# Altium PCB JacdacMicroBitBackPackHi-Alt1 119.PcbDoc (continued)
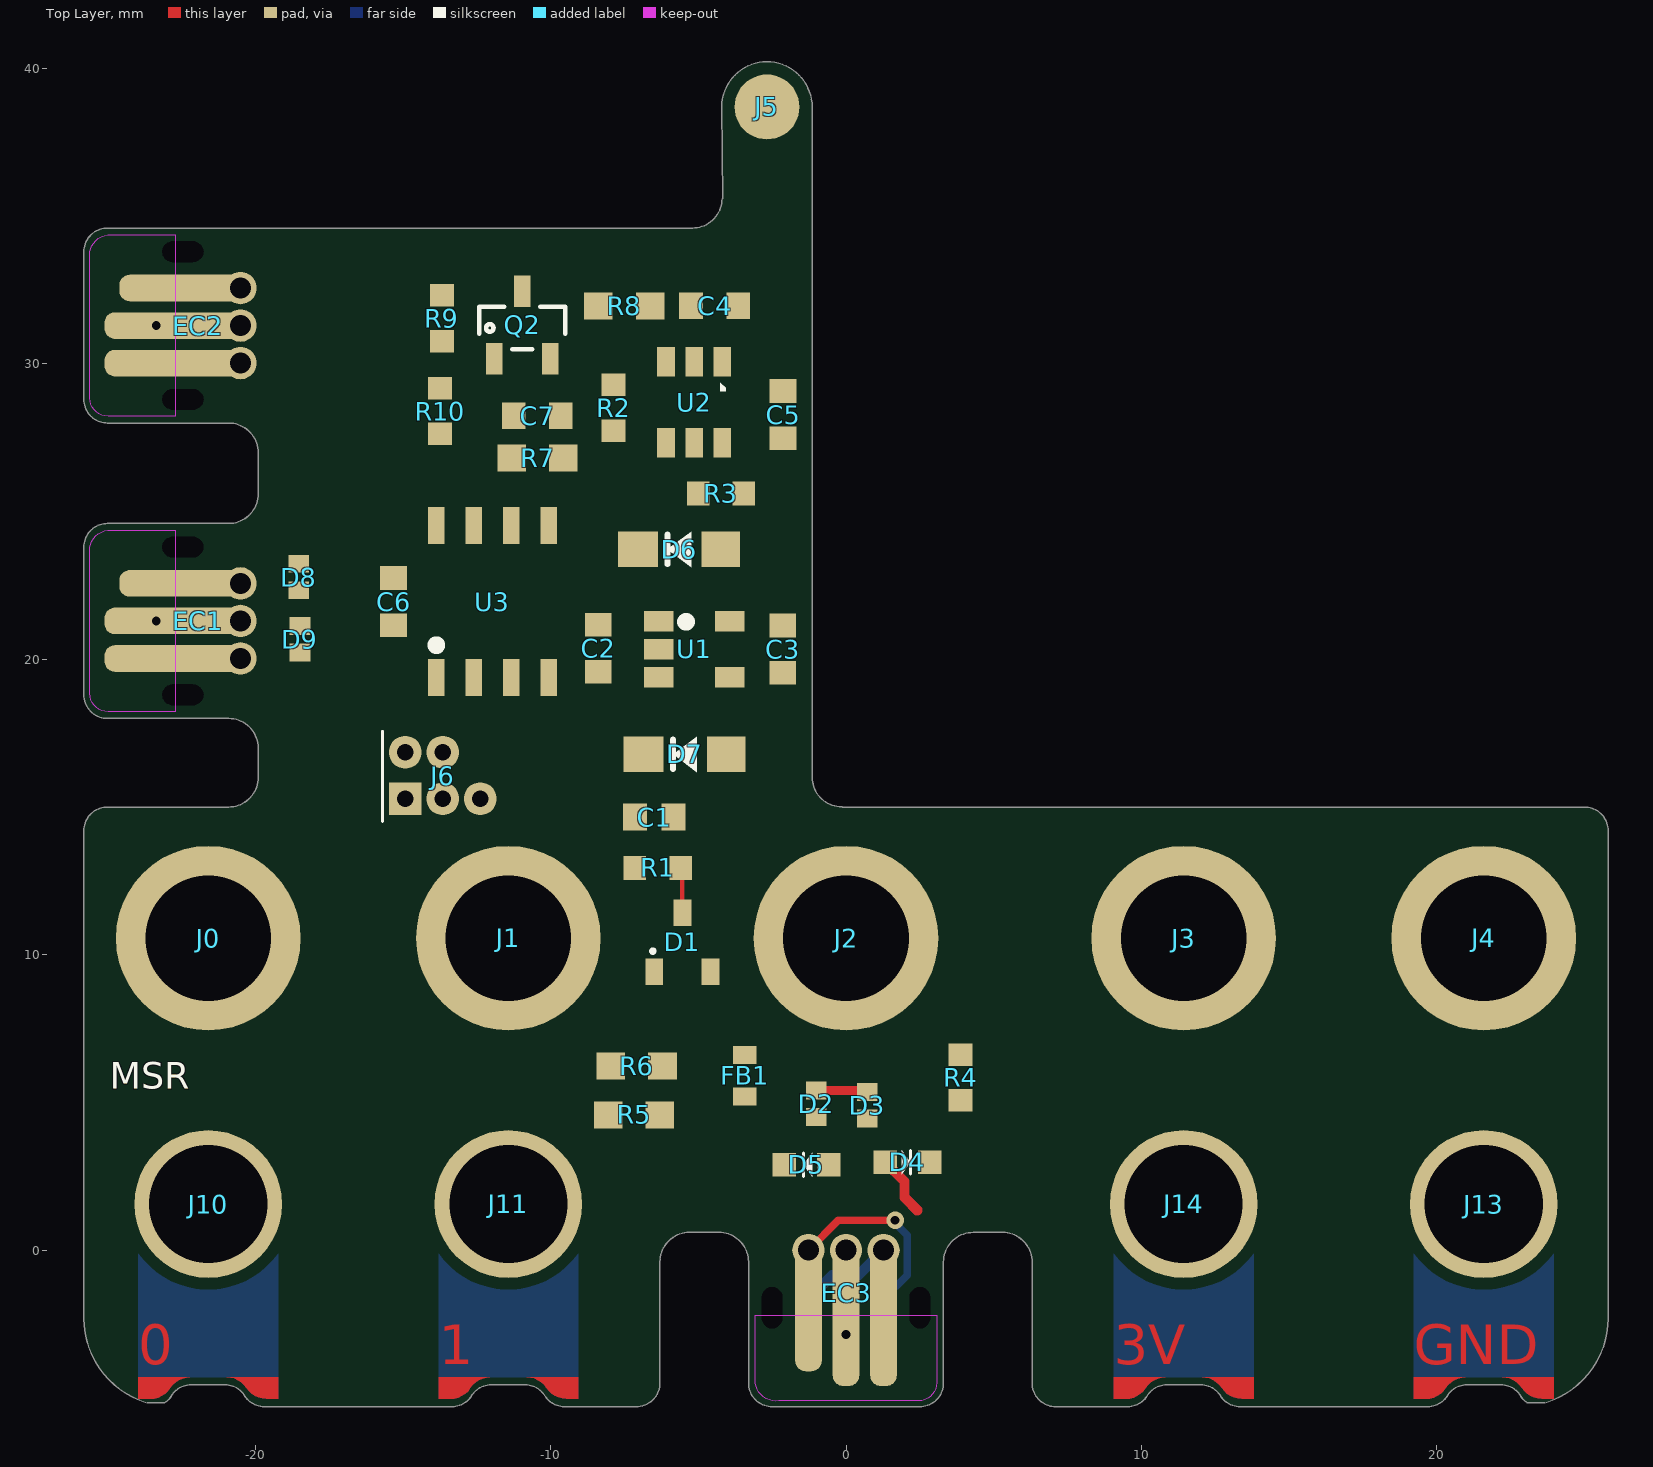
[diagram p0: Top Layer view]
## Part data
C1: library part CC0603JRNPO9BN330, "33pF 0603 100V C0G/NPO", Capacitance=33pF, Case Code (Imperial)=0603, Case Code (Metric)=1608, Dielectric=C0G, Manufacturer=Yageo, Max Operating Temperature=125°C, Min Operating Temperature=-55°C, Tolerance=5%, Voltage Rating=100V, Case/Package=0603, Category="Ceramic Capacitors", ComponentLink1Description="Online datasheet", ComponentLink1URL=https://datasheet.ciiva.com/13207/upy-gp-np0-16v-to-50v-8-13207786.pdf, Composition=Ceramic, Depth=0.8mm, Height=0.8mm, Lead Free="Lead Free", Length=1.6mm, Manufacturer 1=Yageo, Manufacturer Part Number=CC0603JRNPO9BN330, Manufacturer Part Number 1=CC0603JRNPO9BN330, Mount="Surface Mount", Packaging="Tape and Reel", RoHS=Yes, Supplier 1=Digi-Key, Termination=SMD/SMT, Thickness=0.035inch, Voltage Rating (DC)=100V, Weight=7.1E-05oz, Width=0.8mm
C2 C3 C6: library part CL10A105KO8NNNC, "SMD Multilayer Ceramic Capacitor, 1 µF, 16 V, 0603 [1608 Metric], ± 10%, X5R, CL Series", Capacitance=1uF, Case Code (Imperial)=0603, Case Code (Metric)=1608, Dielectric=X5R, Manufacturer=Samsung, Max Operating Temperature=85°C, Min Operating Temperature=-55°C, Package Quantity=1, Supplier Part Number 1=1276-1034-1-ND, Tolerance=10%, Voltage=16V, Case/Package=0603, Category="Ceramic Capacitors", ComponentLink1Description="Online datasheet", ComponentLink1URL=https://datasheet.lcsc.com/lcsc/1811021622_Samsung-Electro-Mechanics-CL10A105KO8NNNC_C1592.pdfq, Construction=Flat, Contact Plating=Tin, Depth=0.8mm, Height=0.8mm, Lead Free="Lead Free", Length=1.6mm, Manufacturer 1=Samsung, Manufacturer Part Number=CL10A105KO8NNNC, Manufacturer Part Number 1=CL10A105KO8NNNC, Material=Ceramic, Mount="Surface Mount", Packaging="Tape and Reel", Pricing 1="1=0.10000, 10=0.03600, 50=0.01960, 100=0.01600, 500=0.01144, 1000=0.00898 (USD)", Radiation Hardening=No, RoHS=Yes, RoHS Compliant=Yes, Series=CL, Stock 1=3575337, Supplier 1=Digi-Key, Supplier 2=Farnell, Supplier 3=RSComponents, Supplier 4=Mouser, Supplier 5=LCSC, Supplier Part Number 2=3013384, Supplier Part Number 3=7664780, Supplier Part Number 4=187-CL10A105KO8NNNC, Supplier Part Number 5=C1592, Thickness=0.035inch, Voltage Rating=16V, Voltage Rating (DC)=16V, Width=0.031inch
C4 C5 C7: "CAP CER 4.7UF 10V X5R 0603", Capacitance=4.7uF, Case Code (Imperial)=0603, Case Code (Metric)=1608, Dielectric=X5R, Manufacturer=Samsung, Max Operating Temperature=85°C, Min Operating Temperature=-55°C, Package Quantity=1, Supplier Part Number 1=3013398, Tolerance=10%, Voltage Rating=10V, Case/Package=0603, Category="Ceramic Capacitors", Checked By=?, ComponentLink1Description="Online datasheet", ComponentLink1URL=https://datasheet.ciiva.com/25797/cl10a475kp8nnnc-25797520.pdf, Construction=Flat, Contact Plating=Tin, Created By="D Gakure", Depth=0.8mm, Height=0.8mm, Length=1.6mm, Manufacturer Part Number=CL10A475KP8NNNC, Mount="Surface Mount", Packaging="Tape and Reel", Pricing 1="10=0.02700, 100=0.02160, 500=0.01580, 1000=0.01310, 2000=0.01130 (GBP)", Pricing 2="1=0.10000, 10=0.04900, 50=0.02680, 100=0.02180, 500=0.01558, 1000=0.01224 (USD)", Radiation Hardening=No, RoHS=Yes, RoHS Compliant=Yes, Series=CL, Stock 1=75690, Supplier 1=Farnell, Supplier 2=Digi-Key, Supplier Part Number 2=1276-1044-1-ND, Thickness=0.035inch, Width=0.031inch
D1: "DIODE ARRAY SCHOTTKY 30V SOT23", Manufacturer=Nexperia, Manufacturer Part Number=BAT54S,235, Supplier Part Number 1=1727-1868-1-ND, Category="Rectifier Diodes", ComponentLink1Description="NXP datasheet online", ComponentLink1URL=https://assets.nexperia.com/documents/data-sheet/BAT54_SER.pdf, Manufacturer 1=Nexperia, Manufacturer Part Number 1=BAT54S,235, Pricing 1="1=0.13000, 10=0.11900, 100=0.05610, 500=0.03326, 1000=0.02185, 5000=0.02138 (USD)", RoHS=No, Stock 1=14011, Supplier 1=Digi-Key, Supplier 2=Mouser, Supplier 3=RSComponents, Supplier Part Number 2=771-BAT54S235, Supplier Part Number 3=1707990
D2 D3 D8 D9: "Bidirectional 5V (Max) 6V 16V 3.5A (8/20us) 0402 TVS RoHS", Manufacturer="Born Semiconductor", Package=0402, Supplier1 Part Number=C316043, Checked By=?, ComponentLink1Description="Online datasheet", ComponentLink1URL=https://datasheet.lcsc.com/szlcsc/Bourne-Semicon-Shenzhen-RCLAMP0521P-N_C316043.pdf, Created By="D Gakure", Manufacturer 1="Born Semiconductor", Manufacturer Part Number=RCLAMP0521P-N, Manufacturer Part Number 1=RCLAMP0521P-N, Supplier1=LCSC
D4: library part 19-217/S2C-AQ1R1B/3T, "LED ORANGE DIFFUSED 0603 SMD", Case Code (Imperial)=0603, Color=Orange, Manufacturer="Everlight Elec", Supplier 1 Part Number=C146215, Case/Package=0603, Colour=Orange, ComponentLink1Description="Online datasheet", ComponentLink1URL=https://datasheet.lcsc.com/lcsc/1912171731_Everlight-Elec-19-217-S2C-AQ1R1B-3T_C146215.pdf, Manufacturer Part Number=19-217/S2C-AQ1R1B/3T, Mount="Surface Mount", Supplier 1=LCSC
D5: library part 19-217/GHC-YR1S2/3T, "LED GREEN DIFFUSED 0603 SMD", Case Code (Imperial)=0603, Color=Green, Manufacturer="Everlight Elec", Supplier 1 Part Number=C72043, Case/Package=0603, Colour=Green, ComponentLink1Description="Online datasheet", ComponentLink1URL=https://datasheet.lcsc.com/lcsc/1811101510_Everlight-Elec-19-217-GHC-YR1S2-3T_C72043.pdf, Manufacturer Part Number=19-217/GHC-YR1S2/3T, Mount="Surface Mount", Supplier 1=LCSC
D6 D7: "NEXPERIA - PMEG2010ER,115 - DIODE, RECT SCH, 20V, 1A, SOD123W", Manufacturer=Nexperia, Supplier Part Number 1=1727-5192-1-ND, ComponentLink1Description="Online datasheet", ComponentLink1URL=http://www.farnell.com/datasheets/1383341.pdf, Manufacturer Part Number=PMEG2010ER,115, Pricing 1="1=0.42000, 10=0.31300, 100=0.19480, 500=0.13328, 1000=0.10252 (USD)", Pricing 2="3000=0.20000, 6000=0.16300, 9000=0.16200, 12000=0.16100, 15000=0.16000 (USD)", Pricing 3="50=0.32100, 100=0.26700, 250=0.21200, 500=0.11100, 1000=0.08200 (USD)", Pricing 4="1=0.37000, 10=0.25700, 50=0.25700, 100=0.13400, 1000=0.09400, 10000=0.07200 (USD)", Pricing 5="5=0.40400, 10=0.27600, 100=0.13400, 500=0.11500, 1000=0.07750 (GBP)", RoHS=Yes, RoHS Compliant=Yes, Stock 1=722, Stock 2=144000, Stock 3=1, Stock 4=2146, Stock 5=24250, Supplier 1=Digi-Key, Supplier 2="Future Electronics", Supplier 3=RSComponents, Supplier 4=Mouser, Supplier 5=Farnell, Supplier Part Number 2=4222907, Supplier Part Number 3=8166824P, Supplier Part Number 4=771-PMEG2010ER115, Supplier Part Number 5=1907681
EC1 EC2 EC3: library part "Jacdac edge connector", "3 pin Jacdac edge connector 1.27mm pitch", Manufacturer Part Number=JACDAC_EDGE_CONNECTOR, Checked By=?, ComponentLink1Description="Yuliang JACDAC cable connector drawing online", ComponentLink1URL=https://github.com/microsoft/jacdac-mdk/blob/main/connector/JACDAC-Connector-by-Yuliang-2020-11-28.pdf, ComponentLink2Description="JACDAC PCB edge connector spec onlin", ComponentLink2URL=https://github.com/microsoft/jacdac-mdk/blob/main/connector/JACDAC_PCB_Edge_Connector_Drawing_JD-PEC-01_rev_01.pdf, Created By="D. Gakure", PCB Type="1.6mm FR4"
FB1: "0603 1k@100MHz 0.8A chip", Case Code (Imperial)=0603, Case Code (Metric)=1608, Current Rating=800mA, DC Resistance (DCR)=300mR, Manufacturer=TDK, Manufacturer Part Number=MPZ1608S102ATA00, Package Quantity=4000, Supplier Part Number 1=445-8694-1-ND, Tolerance=25%, Case/Package=0603, ComponentLink2Description="datasheet online", ComponentLink2URL=https://www.mouser.co.uk/datasheet/2/400/eads_commercial_power_mpz1608_en-923650.pdf, ComponentLink3Description=datasheet, ComponentLink3URL="Y:\System\Altium\Libraries 2014\TDK\Datasheets\eads_commercial_power_mpz1608_en-923650.pdf", Core Material=Ferrite, Height=0.037inch, Impedance="1kR @ 100MHz", Length=0.063inch, Manufacturer 1=TDK, Manufacturer Part Number 1=MPZ1608S102ATA00, Max DC Current=800mA, Mount="Surface Mount", Packaging="Tape and Reel", Pricing 1="1=0.1, 10=0.079, 25=0.0716, 50=0.0644, 100=0.0472, 250=0.03432, 500=0.03146, 1000=0.02717 (USD)", Stock 1=113542, Supplier 1=Digi-Key, Supplier 2=Mouser, Supplier Part Number 2=810-MPZ1608S102ATA00, Width=0.031inch
J0 J1 J3 J4: library part SMTSO-M3-3ET, "Standoff Round Swage F/F M3 X 0.5-THD Carbon Steel Electro-Tin ASTM B545 Automotive", Manufacturer=PennEngineering, Supplier Part Number 1=153-SMTSO-M3-3ET, Diameter=M3, Manufacturer 1=PennEngineering, Manufacturer Part Number=SMTSO-M3-3ET, Manufacturer Part Number 1=SMTSO-M3-3ET, RoHS=No, Standoff Height=3mm, Supplier 1=Mouser
J2: library part SMTSO-M3-2ET, "Standoff Round Swage F/F M3 X 0.5-THD Carbon Steel Electro-Tin ASTM B545 Automotive", Manufacturer=PennEngineering, Supplier Part Number 1=153-SMTSO-M3-2ET, Diameter=M3, Manufacturer 1=PennEngineering, Manufacturer Part Number=SMTSO-M3-2ET, Manufacturer Part Number 1=SMTSO-M3-2ET, RoHS=No, Standoff Height=2mm, Supplier 1=Mouser
J5: library part HARWIN-P70-1000045R, "Spring Loaded Contact, Pin, 2.9mm, SMT", Current Rating=2A, Manufacturer=Harwin, Manufacturer Part Number=P70-1000045R, Supplier Part Number 1=952-3127-1-ND, Category=Connectors, ComponentLink1Description="Harwin drawing online", ComponentLink1URL=https://cdn.harwin.com/pdfs/P70-10X.pdf, ComponentLink2Description="Harwin catalogue page online", ComponentLink2URL=http://www.farnell.com/datasheets/2151575.pdf, Length=3.5mm, Manufacturer 1=Harwin, Manufacturer Part Number 1=P70-1000045R, Material=Brass, Mount="Surface Mount", Plating=Gold, Pricing 1="1=1.02000, 10=0.85900, 25=0.82400, 50=0.80660, 100=0.77150, 250=0.70140, 500=0.63126 (USD)", REACH SVHC="No SVHC", RoHS=Yes, RoHS Compliant=Yes, Stock 1=1152, Supplier 1=Digi-Key, Supplier 2=Farnell, Supplier 3=Mouser, Supplier Part Number 2=2664910, Supplier Part Number 3=855-P70-1000045R, Working Height=2.9mm
J6: library part HACK_CONNECT_MINI
J10: library part "micro:bit edge connector ring P0", "One ring like those on the micro:bit edge connector, designed to take a 4mm banana plug"
J11: library part "micro:bit edge connector ring P1", "One ring like those on the micro:bit edge connector, designed to take a 4mm banana plug"
J13: library part "micro:bit edge connector ring GND", "One ring like those on the micro:bit edge connector, designed to take a 4mm banana plug"
J14: library part "micro:bit edge connector ring 3V", "One ring like those on the micro:bit edge connector, designed to take a 4mm banana plug"
Q2: "MOSFET Transistor, N Channel, 300 mA, 60 V, 2 ohm, 10 V, 2.5 V", Case/Package=SOT-23, Continuous Drain Current (ID)=300mA, Drain to Source Breakdown Voltage=60V, Drain to Source Resistance=2R, Gate to Source Voltage (Vgs)=20V, Input Capacitance=50pF, Manufacturer="ON Semiconductor / Fairchild", Max Operating Temperature=150°C, Max Power Dissipation=350mW, Min Operating Temperature=-55°C, Package Quantity=1, Supplier Part Number 1=2N7002KCT-ND, Threshold Voltage=2.5V, Category=MOSFETs, Checked By=?, ComponentLink1Description="Online datasheet", ComponentLink1URL=https://www.onsemi.com/pdf/datasheet/2n7002k-d.pdf, Contact Plating=Tin,Matte, Created By="D. Gakure", Drain to Source Voltage (Vdss)=60V, Drain-source On Resistance-Max=2R, Element Configuration=Single, Height=1.2mm, Lead Free="Lead Free", Length=2.92mm, Manufacturer Part Number=2N7002K, Mount="Surface Mount", Number of Elements=1, Number of Pins=3, On-State Resistance=2R, Packaging="Tape and Reel", Polarity=N-CHANNEL, Power Dissipation=350mW, Pricing 1="1=0.40000, 10=0.32500, 25=0.27240, 100=0.17240, 500=0.11344, 1000=0.07714 (USD)", Pricing 2="1=0.40000, 10=0.27300, 50=0.27300, 100=0.13400, 1000=0.07800, 10000=0.05100 (USD)", Pricing 3="5=0.34800, 10=0.23500, 100=0.09100, 500=0.05850, 3000=0.04630, 9000=0.03860, 24000=0.03750, 45000=0.03530 (GBP)", Radiation Hardening=No, Rds On Max=2R, REACH SVHC="No SVHC", RoHS=Yes, Stock 1=53564, Stock 2=111825, Stock 3=101059, Supplier 1=Digi-Key, Supplier 2=Mouser, Supplier 3=Farnell, Supplier Part Number 2=512-2N7002K, Supplier Part Number 3=2453382, Turn-Off Delay Time=30ns, Turn-On Delay Time=5ns, Voltage=60V, Width=1.3mm
R1 R2: library part RC0603FR-07220RL, "Res Thick Film 0603 220 Ohm 1% 0.1W(1/10W) ±100ppm/°C Pad SMD T/R", Case Code (Imperial)=0603, Case Code (Metric)=1608, Manufacturer="= Manufacturer 1", Manufacturer 1=Yageo, Manufacturer Part Number="= Manufacturer Part Number 1", Max Operating Temperature=155°C, Max Power Dissipation=100mW, Min Operating Temperature=-55°C, Package Quantity=1, Resistance Tolerance=1%, Resistor Type="Thick Film", Supplier Part Number 1=311-220HRCT-ND, Temperature Coefficient=100ppm/°C, Voltage Rating=50V, Case/Package=0603, Category="Chip SMD Resistors", ComponentLink4Description="online datasheet", ComponentLink4URL=https://datasheet.ciiva.com/46395/443971-46395002.pdf, Construction=Rectangular, Depth=0.8mm, Features="Moisture Resistant", Height=0.022inch, Lead Free="Lead Free", Length=1.6mm, Manufacturer Part Number 1=RC0603FR-07220RL, Military Standard=Not, Number of Pins=2, Number of Terminations=2, Packaging="Tape and Reel", Power Rating=100mW, Pricing 1="1=0.10000, 10=0.02300, 100=0.00930, 1000=0.00417, 2500=0.00362 (USD)", REACH SVHC="No SVHC", Resistance=220R, RoHS=Yes, RoHS Compliant=Yes, Series=RC, Size Code=0603, Stock 1=1257522, Supplier 1=Digi-Key, Supplier 2=Farnell, Supplier 3=Mouser, Supplier 4=RSComponents, Supplier Part Number 2=2421863, Supplier Part Number 3=603-RC0603FR-07220RL, Supplier Part Number 4=1995497, Termination=SMD/SMT, Tolerance=1%, Voltage Rating (DC)=50V, Width=0.031inch
R3 R9: library part RC0603FR-0728K7L, "Res Thick Film 0603 28.7k Ohm 1% 0.1W(1/10W) ±100ppm/C Pad SMD T/R", Case Code (Imperial)=0603, Case Code (Metric)=1608, Manufacturer=Yageo, Max Operating Temperature=155°C, Max Power Dissipation=100mW, Min Operating Temperature=-55°C, Package Quantity=1, Resistance=28.7kR, Resistor Type="Thick Film", Supplier Part Number 1=311-28.7KHRCT-ND, Temperature Coefficient=100ppm/°C, Tolerance=1%, Voltage Rating=50V, Case/Package=0603, Category="Chip SMD Resistors", ComponentLink5Description="onilne datasheet", ComponentLink5URL=https://datasheet.ciiva.com/2553/pyu-r-int-thick-7-2553533.pdf, Construction=Rectangular, Depth=0.8mm, Features="Moisture Resistant", Height=0.022inch, Lead Free="Lead Free", Length=1.6mm, Manufacturer 1=Yageo, Manufacturer Part Number=RC0603FR-0728K7L, Manufacturer Part Number 1=RC0603FR-0728K7L, Military Standard=Not, Mount="Surface Mount", Number of Terminations=2, Packaging="Tape and Reel", Power Rating=100mW, Pricing 1="1=0.10000, 10=0.02300, 100=0.00930, 1000=0.00417, 2500=0.00362 (USD)", RoHS=Yes, RoHS Compliant=Yes, Series=RC, Size Code=0603, Stock 1=276730, Supplier 1=Digi-Key, Supplier 2=Farnell, Supplier 3=Mouser, Supplier 4=RSComponents, Supplier Part Number 2=3951071, Supplier Part Number 3=603-RC0603FR-0728K7L, Supplier Part Number 4=505-1003, Technology="THICK FILM", Termination=SMD/SMT, Voltage Rating (DC)=50V, Width=0.031inch
R4: library part RC0603FR-071KL, "Res Thick Film 0603 1K Ohm 1% 1/10W ±100ppm/°C Molded SMD SMD Paper T/R", Case Code (Imperial)=0603, Case Code (Metric)=1608, Manufacturer="= Manufacturer 1", Manufacturer 1=Yageo, Manufacturer Part Number="= Manufacturer Part Number 1", Max Operating Temperature=155°C, Max Power Dissipation=100mW, Min Operating Temperature=-55°C, Resistance=1kR, Resistance Tolerance=1%, Resistor Type="Thick Film", Supplier Part Number 1=311-1.00KHRCT-ND, Temperature Coefficient=100ppm/°C, Voltage Rating=50V, Case/Package=0603, Category="Chip SMD Resistors", ComponentLink4Description="online datasheet", ComponentLink4URL=https://datasheet.ciiva.com/46395/443971-46395002.pdf, Construction=Rectangular, Contact Plating=Tin,Matte, Depth=0.8mm, Features="Moisture Resistant", Height=0.45mm, Lead Free="Lead Free", Length=1.6mm, Manufacturer Part Number 1=RC0603FR-071KL, Military Standard=Not, Number of Terminations=2, Packaging="Tape and Reel", Power Rating=100mW, Pricing 1="1=0.10000, 10=0.02300, 100=0.00930, 1000=0.00417, 2500=0.00362 (USD)", Radiation Hardening=No, REACH SVHC="No SVHC", RoHS=Yes, RoHS Compliant=Yes, Series=RC, Size Code=0603, Stock 1=7298696, Supplier 1=Digi-Key, Supplier 2=Farnell, Supplier 3=Mouser, Supplier 4=RSComponents, Supplier Part Number 2=2421849, Supplier Part Number 3=603-RC0603FR-071KL, Supplier Part Number 4=1995478, Technology="THICK FILM", Termination=SMD/SMT, Tolerance=1%
R5: library part RC0603FR-072KL, "Res Thick Film 0603 2k Ohm 1% 0.1W(1/10W) ±100ppm/C Pad SMD T/R", Case Code (Imperial)=0603, Case Code (Metric)=1608, Manufacturer=Yageo, Max Operating Temperature=155°C, Max Power Dissipation=100mW, Min Operating Temperature=-55°C, Package Quantity=1, Resistance=2kR, Resistor Type="Thick Film", Supplier Part Number 1=311-2.00KHRCT-ND, Temperature Coefficient=100ppm/°C, Tolerance=1%, Voltage Rating=50V, Case/Package=0603, Category="Chip SMD Resistors", ComponentLink5Description="onilne datasheet", ComponentLink5URL=https://datasheet.ciiva.com/2553/pyu-r-int-thick-7-2553533.pdf, Construction=Rectangular, Depth=0.8mm, Features="Moisture Resistant", Height=0.022inch, Lead Free="Lead Free", Length=1.6mm, Manufacturer 1=Yageo, Manufacturer Part Number=RC0603FR-072KL, Manufacturer Part Number 1=RC0603FR-072KL, Military Standard=Not, Mount="Surface Mount", Number of Terminations=2, Packaging="Tape and Reel", Power Rating=100mW, RoHS=Yes, RoHS Compliant=Yes, Series=RC, Size Code=0603, Supplier 1=Digi-Key, Supplier 2=Farnell, Supplier 3=Mouser, Supplier 4=RSComponents, Supplier Part Number 2=3495801, Supplier Part Number 3=603-RC0603FR-072KL, Supplier Part Number 4=1995524, Technology="THICK FILM", Termination=SMD/SMT, Voltage Rating (DC)=50V, Width=0.031inch
R6: library part RC0603FR-07680RL, "Res Thick Film 0603 680 Ohm 1% 0.1W(1/10W) ±100ppm/C Pad SMD T/R", Case Code (Imperial)=0603, Case Code (Metric)=1608, Manufacturer=Yageo, Max Operating Temperature=155°C, Max Power Dissipation=100mW, Min Operating Temperature=-55°C, Package Quantity=1, Resistor Type="Thick Film", Supplier Part Number 1=311-680HRCT-ND, Temperature Coefficient=100ppm/°C, Tolerance=1%, Voltage Rating=50V, Case/Package=0603, Category="Chip SMD Resistors", ComponentLink5Description="onilne datasheet", ComponentLink5URL=https://datasheet.ciiva.com/2553/pyu-r-int-thick-7-2553533.pdf, Construction=Rectangular, Depth=0.8mm, Features="Moisture Resistant", Height=0.022inch, Lead Free="Lead Free", Length=1.6mm, Manufacturer 1=Yageo, Manufacturer Part Number=RC0603FR-07680RL, Manufacturer Part Number 1=RC0603FR-07680RL, Military Standard=Not, Mount="Surface Mount", Number of Terminations=2, Packaging="Tape and Reel", Power Rating=100mW, Resistance=680R, RoHS=Yes, RoHS Compliant=Yes, Series=RC, Size Code=0603, Supplier 1=Digi-Key, Supplier 2=Farnell, Supplier 3=Mouser, Supplier 4=RSComponents, Supplier Part Number 2=9238468, Supplier Part Number 3=603-RC0603FR-07680RL, Supplier Part Number 4=1995618, Technology="THICK FILM", Termination=SMD/SMT, Voltage Rating (DC)=50V, Width=0.031inch
R7 R8: library part RC0603FR-071ML, "Res Thick Film 0603 1M Ohm 1% 0.1W(1/10W) ±100ppm/C Pad SMD T/R", Case Code (Imperial)=0603, Case Code (Metric)=1608, Manufacturer=Yageo, Max Operating Temperature=155°C, Max Power Dissipation=100mW, Min Operating Temperature=-55°C, Package Quantity=1, Resistance=1MR, Resistor Type="Thick Film", Supplier Part Number 1=311-1.00MHRCT-ND, Temperature Coefficient=100ppm/°C, Tolerance=1%, Voltage Rating=50V, Case/Package=0603, Category="Chip SMD Resistors", ComponentLink5Description="onilne datasheet", ComponentLink5URL=https://datasheet.ciiva.com/2553/pyu-r-int-thick-7-2553533.pdf, Construction=Rectangular, Depth=0.8mm, Features="Moisture Resistant", Height=0.022inch, Lead Free="Lead Free", Length=1.6mm, Manufacturer 1=Yageo, Manufacturer Part Number=RC0603FR-071ML, Manufacturer Part Number 1=RC0603FR-071ML, Military Standard=Not, Mount="Surface Mount", Number of Terminations=2, Packaging="Tape and Reel", Power Rating=100mW, RoHS=Yes, RoHS Compliant=Yes, Series=RC, Size Code=0603, Supplier 1=Digi-Key, Supplier 2=Farnell, Supplier 3=Mouser, Supplier 4=RSComponents, Supplier Part Number 2=9238840, Supplier Part Number 3=603-RC0603FR-071ML, Supplier Part Number 4=1995481, Technology="THICK FILM", Termination=SMD/SMT, Voltage Rating (DC)=50V, Width=0.031inch
R10: "RES SMD 20 OHM 1% 1/10W 0603", Case Code (Imperial)=0603, Case Code (Metric)=1608, Manufacturer=Yageo, Max Operating Temperature=155°C, Max Power Dissipation=100mW, Min Operating Temperature=-55°C, Package Quantity=1, Resistance=20R, Resistance Tolerance=1%, Resistor Type="Thick Film", Supplier Part Number 1=311-20.0HRCT-ND, Temperature Coefficient=100ppm/°C, Voltage Rating=50V, Working Voltage=75V, Case/Package=0603, Category="Chip SMD Resistors", ComponentLink1Description="Online datasheet", ComponentLink1URL=https://datasheet.ciiva.com/11819/0900766b80f96399-11819290.pdf, Construction=Rectangular, Created By="D. Gakure", Depth=0.8mm, Features="Moisture Resistant", Height=0.45mm, Lead Free="Lead Free", Length=1.6mm, Manufacturer Part Number=RC0603FR-0720RL, Military Standard=Not, Number of Terminations=2, Packaging="Tape and Reel", Power Rating=100mW, Pricing 1="1=0.10000, 10=0.02100, 100=0.00840, 1000=0.00379, 2500=0.00329 (USD)", Pricing 2="1=0.10000, 10=0.01800, 50=0.01800, 100=0.00600, 1000=0.00500, 10000=0.00300 (USD)", Pricing 3="10=0.01820, 100=0.00650, 500=0.00550, 1000=0.00450, 2500=0.00390, 5000=0.00360, 25000=0.00330 (GBP)", REACH SVHC="No SVHC", RoHS=Yes, RoHS Compliant=Yes, Series=RC, Stock 1=2002412, Stock 2=238682, Stock 3=229990, Supplier 1=Digi-Key, Supplier 2=Mouser, Supplier 3=Farnell, Supplier Part Number 2=603-RC0603FR-0720RL, Supplier Part Number 3=3495766, Technology="THICK FILM", Termination=SMD/SMT, Tolerance=1%, Voltage Rating (DC)=50V, Width=0.8mm
U1: "6V 260mV @ 200mA(typ) - - Fixed 3.3V SOT-23-5 Linear Voltage Regulators (LDO) ROHS", Case/Package=SOT-23-5, Dropout Voltage=200mV, Manufacturer="MICRONE(Nanjing Micro One Elec)", Max Input Voltage=6, Min Output Voltage=3.3V, Output Current=500mA, Supplier Part Number=C82942, Category="Voltage Regulators - Linear", ComponentLink3Description="On Semi datasheet online", ComponentLink3URL=https://datasheet.lcsc.com/lcsc/1811131510_MICRONE-Nanjing-Micro-One-Elec-ME6211C33M5G-N_C82942.pdf, Created=DG, Manufacturer 1="MICRONE(Nanjing Micro One Elec)", Manufacturer Part Number=ME6211C33M5G-N, Manufacturer Part Number 1=ME6211C33M5G-N, Mount="Surface Mount", Number of Regulators=1, Output Configuration=Positive, Output Type=Fixed, Pricing 1="1=0.33000, 10=0.24900, 25=0.21760, 100=0.12440, 250=0.11664, 500=0.09330, 1000=0.07153 (USD)", Stock 1=32529, Supplier 1=LCSC
U2: "IC PWR SWITCH N-CHAN 1:1 SOT23-6", Case/Package=SOT-23, Manufacturer="Texas Instruments", Max Input Voltage=6.5V, Max Operating Temperature=85°C, Max Power Dissipation=625mW, Min Input Voltage=2.5V, Min Operating Temperature=-40°C, On-State Resistance=85mR, Output Current=1.5A, Package Quantity=1, Supplier Part Number 1=296-32464-1-ND, Category="Hot Swap Controllers", ComponentLink1Description="Online datasheet", ComponentLink1URL=https://datasheet.ciiva.com/15108/getdatasheetpartid-297517-15108509.pdf, Lead Free="Lead Free", Manufacturer Part Number=TPS2553DBVR, Max Supply Voltage=6.5V, Min Supply Voltage=2.5V, Number of Outputs=1, Number of Pins=6, Packaging="Tape and Reel", Pricing 1="1=1.20000, 10=1.07100, 25=1.01640, 100=0.78050, 250=0.68972, 500=0.65340, 1000=0.50820 (USD)", Radiation Hardening=No, REACH SVHC="No SVHC", RoHS=Yes, Stock 1=14713, Supplier 1=Digi-Key, Supplier 2=Farnell, Supplier 3=Mouser, Supplier Part Number 2=3124082, Supplier Part Number 3=595-TPS2553DBVR, Weight=0.00127oz
U3: library part PFS122-SO8, "8bit MTP MCU with 12-bit ADC", Manufacturer=PADAUK, Package=SOP-8, ComponentLink1Description="Online datasheet", ComponentLink1URL=http://www.padauk.com.tw/upload/doc/PFS122%20datasheet_EN_V001_20220518.pdf, Manufacturer Part Number=PFS122-S08

## Via types
v1: diameter 0.6, hole 0.3, Top Layer to Bottom Layer, tented both sides, 3 vias
v2: diameter 0.6, hole 0.3, Top Layer to Bottom Layer, 1 vias

## Nets (pads, with @x,y where several pads share a name; then routed paths per layer and width w, separated by ;. In a path a pad name is that pad's centre, name@x,y a point inside that pad or via, vN(x,y) a via of type N, cw(c..) or ccw(c..) an arc to the next point about the centre after c; other vN are vias at no path point)
GND: C1.1 C2.1 C3.1 C4.1 C5.1 C6.1 C7.1 D1.1 D2.2 D3.2 D8.2 D9.2 EC1.2 EC2.2 EC3.2 J4.1 J6.3 J13.1 Q2.2 R3.1 R5.1 R9.1 U1.2 U2.2 U3.8 | length 1.7
  Top Layer w0.3: D2.2 D3.2@0.723,5.405
  other v1: 0,-2.85 -23.35,21.3 -23.35,31.3
ICPCK/SWCLK: J6.4 U3.6
ILIM_EN: R2.1 U3.5
ILIM_OUT: C5.2 D5.2 D6.2 U2.6
JD_DATA: D2.1 D8.1 EC1.1 EC2.1 EC3.1 FB1.1 | length 7.7
  Top Layer w0.15: FB1.1@-3.522,5.103 FB1.1
  Top Layer w0.25: EC3.1@-1.27,0 -0.259,1.011 v2(1.663,1.011)
  Bottom Layer w0.25: EC3.1@1.27,-2.65 1.27,-1.65 2.07,-0.85 2.07,0.51 1.663,0.917 v2(1.663,1.011)
JD_DATA_MCU/ICPDA: D1.3 J2.1 J6.2 R1.2 U3.2 | length 1.5
  Top Layer w0.15: R1.2 -5.538,12.883 D1.3
JD_PWR: C2.2 D3.1 D6.1 D9.1 EC1.3 EC2.3 EC3.3 U1.1 U1.3 | length 4.4
  Bottom Layer w0.35: EC3.3@-1.27,-2.9 -1.27,-1.65 -0.47,-0.85 0.42,-0.85 EC3.3@1.047,-0.222 ; EC3.3@1.27,0 EC3.3@1.413,0.144
JD_STATUS/ICVPP: J6.5 R4.2 U3.3
NetC1_2: C1.2 FB1.2 R1.1
NetC3_2: C3.2 D7.2 U1.5
NetC7_2: C7.2 R2.2 R7.1 U2.3 U2.4
NetD4_1: D4.1 R4.1
NetD5_1: D5.1 R5.2 R6.2
NetJ0_1: J0.1 J10.1
NetJ1_1: J1.1 J11.1
NetQ2_3: Q2.3 R10.1
NetR3_2: R3.2 U2.5
PD_STATUS: R6.1 U3.4
USB_KEEP_ALIVE: Q2.1 R8.1 R9.2 U3.7
VBIT: C6.2 D1.2 D4.2 D7.1 J3.1 J6.1 J14.1 R7.2 U3.1 | length 2.1
  Top Layer w0.35: D4.2 1.981,2.325 1.981,1.784 2.414,1.351
VUSB: C4.2 J5.1 R8.2 R10.2 U2.1
pads on no net: EC1. EC2. EC3. U1.4

## Polygon pours and split planes (outlines as drawn)
no net on Fabrication Notes "NONET_L-01_P-001" (hatched 45Degree grid 0.6 track 0.01): 7,-5.8 7,0.712 -7.01,0.711 -7,0.7 -7,-5.8 -7.01,-5.789
no net on Fabrication Notes "NONET_L-01_P-001" (hatched 45Degree grid 0.6 track 0.01): -26.651,14.557 -20.134,14.557 -20.137,34.939 -26.635,34.939

## Other copper
Top Layer:
  text "Top Layer" at -39.811,-8.333 h1.7
Bottom Layer:
  text "Bottom Layer" at -39.812,-9.833 h1.7

## Silkscreen, mask and mechanical layers (free items; w line width, h text height)
Top Overlay:
  text "MSR" at -24.929,5.462 h0.9
  text "Top Overlay" at -39.811,-14.058 h1.7
Bottom Overlay:
  drawing of 195 lines, arcs and shapes, not listed
  text "'.ProjectCodename'" at -1.372,24.803 h1
  text "'.ProjectCodenameID'-'.ProjectRevision'" at -7.097,23.103 h1
  text "Bottom Overlay" at -31.212,-8.358 h1.7
Top Paste:
  text "Top Paste" at -31.211,-9.765 h1.7
Bottom Paste:
  text "Bottom Paste" at -31.212,-11.243 h1.7
Top Solder:
  text "Top Solder (resist)" at -31.211,-12.565 h1.7
Bottom Solder:
  text "Bottom Solder (resist)" at -31.212,-14.055 h1.7
Drill Guide:
  text "Drill Guide" at -17.787,-12.568 h1.7
Mechanical 1:
  lines w0.2: -6.206,25.464 -0.054,31.616 6.098,25.464 -0.054,19.312 -6.206,25.464
Dimension:
  text "Dimension" at -17.787,-11.268 h1.7
Fabrication Notes:
  lines w0.01: -26.647,19.245 -20.147,19.245 ; -26.647,33.245 -20.147,33.245 ; -26.637,33.256 -26.635,19.245 ; -20.137,33.256 -20.135,19.245 ; -7.01,-5.789 7,-5.788 ; -7.01,0.711 7,0.712 ; -7,-5.8 -7,0.7 ; 7,-5.8 7,0.7
  lines w0.2: -62.04,-17.037 -45.8,-12.944 -45.8,-9 ; -28.397,26.045 -24.547,23.745 -22.797,23.745 ; -28.397,26.445 -24.547,28.745 -22.797,28.745 ; -28.397,32.245 -26.647,32.245 ; -2.5,-1.95 -2.5,-3.7 -0.2,-7.55 ; 0.2,-7.55 2.5,-3.7 2.5,-1.95 ; 5.403,-5.775 5.403,-5.759 7.739,-8.096 7.739,-10.053
  text "no board edge pips/ / rat's teeth/mouse bites  / in this region - make  / sure board edge is clean" at -44.545,30.245 h1.7
  text "non-plated slots x2" at -39.368,25.838 h1.7
  text "Fabrication Notes" at -17.787,-8.368 h1.7
  text "non-plated slots x2" at -5.113,-9.093 h1.7
  text "no board edge pips/ / rat's teeth/mouse bites  / in this region - make  / sure board edge is clean" at -0.178,-15.824 h1.7
  text "\"horseshoe shaped\" / board cut-out" at -73.417,-18.1 h1.7
Mechanical 9:
  circle w0.2: c-11.43,10.56 r2.5
  circle w0.2: c-21.59,10.56 r2.5
  circle w0.2: c11.43,10.56 r2.5
  circle w0.2: c21.59,10.56 r2.5
  circle w0.2: c0,10.56 r2.5
  circle w0.2: c-2.675,38.7 r0.5
  lines w0.01: -29.742,-12.177 ccw(c-32.067,-12.132) -29.742,-12.132
  lines w0.1: -23.069,3.827 -23.662,3.827 cw(c-22.8,6.7) -25.8,6.7 -25.8,42.7 cw(c-22.8,42.7) -22.8,45.7 22.8,45.7 cw(c22.8,42.7) 25.8,42.7 25.8,6.7 cw(c22.8,6.7) 23.651,3.823 ; -23.069,3.828 ccw(c-23.498,4.485) -22.808,4.111 ; -22.809,4.111 cw(c-22.171,3.657) -22.171,4.44 ; -22.171,4.439 -21.02,4.439 ; -21.02,4.44 cw(c-21.02,3.657) -20.382,4.111 ccw(c-19.693,4.485) -19.693,3.701 ; -19.693,3.7 -19.186,3.7 -13.852,3.7 -13.337,3.7 ; -13.337,3.701 ccw(c-13.337,4.485) -12.648,4.111 cw(c-12.01,3.657) -12.01,4.44 ; -12.01,4.439 -10.86,4.439 ; -10.86,4.44 cw(c-10.86,3.657) -10.222,4.111 ccw(c-9.533,4.485) -9.533,3.701 ; -9.533,3.7 -1.907,3.7 ; -1.907,3.701 ccw(c-1.907,4.485) -1.218,4.111 cw(c-0.58,3.657) -0.58,4.44 ; -0.58,4.439 0.57,4.439 ; 0.57,4.44 cw(c0.57,3.657) 1.208,4.111 ccw(c1.897,4.485) 1.897,3.701 ; 1.897,3.7 9.523,3.7 ; 9.523,3.701 ccw(c9.523,4.485) 10.212,4.111 cw(c10.85,3.657) 10.85,4.44 ; 10.85,4.439 12,4.439 ; 12,4.44 cw(c12,3.657) 12.638,4.111 ccw(c13.327,4.485) 13.327,3.701 ; 13.327,3.7 19.683,3.7 ; 19.683,3.701 ccw(c19.683,4.485) 20.372,4.111 cw(c21.01,3.657) 21.01,4.44 ; 21.01,4.439 22.16,4.439 ; 22.16,4.44 cw(c22.16,3.657) 22.798,4.111 ccw(c23.487,4.485) 23.065,3.824 ; 23.065,3.825 23.65,3.825
Board Outline:
  lines w0.2: -25.002,34.6 -5.197,34.6 ccw(c-5.197,35.6) -4.197,35.6 ; -25.001,18 -20.9,18 cw(c-20.9,17) -19.9,17 -19.901,16 ; -25.001,28 -20.9,28 cw(c-20.9,27) -19.9,27 ; -25,18 cw(c-25,18.8) -25.8,18.8 -25.8,23.8 cw(c-25,23.8) -25,24.6 -20.9,24.6 ccw(c-20.9,25.6) -19.9,25.6 -19.898,27 ; -25,28 cw(c-25,28.8) -25.8,28.8 -25.8,33.8 cw(c-25,33.8) -25,34.6 ; -23.069,-5.173 -23.662,-5.173 cw(c-22.8,-2.3) -25.8,-2.3 -25.8,14.2 cw(c-25,14.2) -25,15 -20.9,15 ccw(c-20.9,16) -19.9,16 ; -23.069,-5.172 ccw(c-23.498,-4.515) -22.808,-4.889 ; -22.809,-4.889 cw(c-22.171,-5.343) -22.171,-4.56 -21.02,-4.561 cw(c-21.02,-5.343) -20.382,-4.889 ccw(c-19.693,-4.515) -19.693,-5.299 -19.186,-5.3 -13.852,-5.3 -13.337,-5.3 ccw(c-13.337,-4.515) -12.648,-4.889 cw(c-12.01,-5.343) -12.01,-4.56 -10.86,-4.561 cw(c-10.86,-5.343) -10.222,-4.889 ; -10.222,-4.889 ccw(c-9.532,-4.515) -9.532,-5.299 -9.017,-5.3 -7.1,-5.3 ; -10.222,-3.889 ccw(c-9.533,-3.515) -9.962,-4.172 ; -9.962,-4.173 -9.369,-4.173 ccw(c-10.231,-1.3) -7.231,-1.3 ; -7.231,-2.3 -7.231,-0.4 cw(c-6.231,-0.4) -6.231,0.6 ; -7.1,-5.301 ccw(c-7.1,-4.501) -6.3,-4.501 -6.3,-0.401 ; -6.3,-0.399 cw(c-5.3,-0.399) -5.3,0.601 -4.3,0.602 cw(c-4.3,-0.398) -3.3,-0.398 ; -4.18,35.6 -4.205,38.7 cw(c-2.675,38.7) -1.145,38.7 -1.145,16.01 ccw(c-0.145,16.01) -0.145,15.01 ; -3.3,-4.5 -3.3,-0.4 ; -3.3,-4.5 ccw(c-2.5,-4.5) -2.5,-5.3 ; -2.5,-5.3 2.5,-5.3 ; -0.135,15 25,15 cw(c25,14.2) 25.8,14.2 25.8,-2.3 cw(c22.8,-2.3) 23.662,-5.173 23.069,-5.173 ; 2.5,-5.3 ccw(c2.5,-4.5) 3.3,-4.5 ; 3.3,-4.501 3.3,-0.4 cw(c4.3,-0.4) 4.3,0.6 5.3,0.599 ; 5.3,0.601 cw(c5.3,-0.399) 6.3,-0.399 ; 6.23,0.6 cw(c6.23,-0.4) 7.23,-0.4 7.231,-2.3 ; 6.3,-4.501 6.3,-0.401 ; 6.3,-4.501 ccw(c7.1,-4.501) 7.1,-5.301 ; 7.1,-5.3 9.018,-5.3 9.533,-5.3 ccw(c9.533,-4.515) 10.222,-4.889 cw(c10.86,-5.343) 10.86,-4.56 12.01,-4.561 cw(c12.01,-5.343) 12.648,-4.889 ccw(c13.337,-4.515) 13.337,-5.299 13.852,-5.3 19.186,-5.3 19.693,-5.3 ccw(c19.693,-4.515) 20.382,-4.889 cw(c21.02,-5.343) 21.02,-4.56 22.171,-4.561 cw(c22.171,-5.343) 22.809,-4.889 ccw(c23.498,-4.515) 23.069,-5.172 ; 7.231,-1.3 ccw(c10.231,-1.3) 9.369,-4.173 9.962,-4.173 ; 9.962,-4.172 ccw(c9.533,-3.515) 10.222,-3.889
  text "Board Outline" at -17.787,-9.768 h1.7
Top Body:
  lines w0.2: -22.8,36.619 -22.8,45.379 -14.8,45.379 -14.8,36.619 -22.8,36.619 ; -12.875,39.462 -12.875,45.662 -6.175,45.662 -6.175,39.462 -12.875,39.462 ; -5.378,43.159 -4.568,43.159 -4.568,44.769 -5.378,44.769 -5.378,43.159 ; 6.897,42.834 6.9,44.45 7.7,44.45 7.707,42.834 6.897,42.834
Top Assy:
  text "Top Assy" at -39.811,-11.158 h1.7
Bottom Assy:
  text "Bottom Assy" at -39.812,-12.558 h1.7
Drill Drawing:
  text "Drill Drawing" at -31.212,-15.458 h1.7
Component Keepout Dwg:
  lines w0.025: 0.503,1.7 16.897,1.7
  text "Component Keepout" at -17.786,-14.08 h1.7
Routing Keepout Dwg:
  text "Routing Keepout" at -17.712,-15.458 h1.7

## Text inside footprints (layer, text, board x,y; h text height)
EC1: Mechanical 9 "Jacdac / cable connector  / body" at -29.958,16.479 h1.7 r90
EC2: Mechanical 9 "Jacdac / cable connector  / body" at -29.958,26.479 h1.7 r90
EC3: Mechanical 9 "Jacdac / cable connector  / body" at 4.821,-9.458 h1.7 r180
J10: Top Layer "0" at -23.955,-4.307 h2.3; Top Solder "0" at -24.079,-4.307 h2.3
J11: Top Layer "1" at -13.795,-4.307 h2.3; Top Solder "1" at -13.919,-4.307 h2.3
J13: Top Layer "GND" at 19.225,-4.307 h2.3; Top Solder "GND" at 19.101,-4.307 h2.3
J14: Top Layer "3V" at 9.065,-4.307 h2.3; Top Solder "3V" at 8.941,-4.307 h2.3